# EAGLE board AU_MacroPad - 8 Panel (EAGLE 9.6.2), part 4 of 5
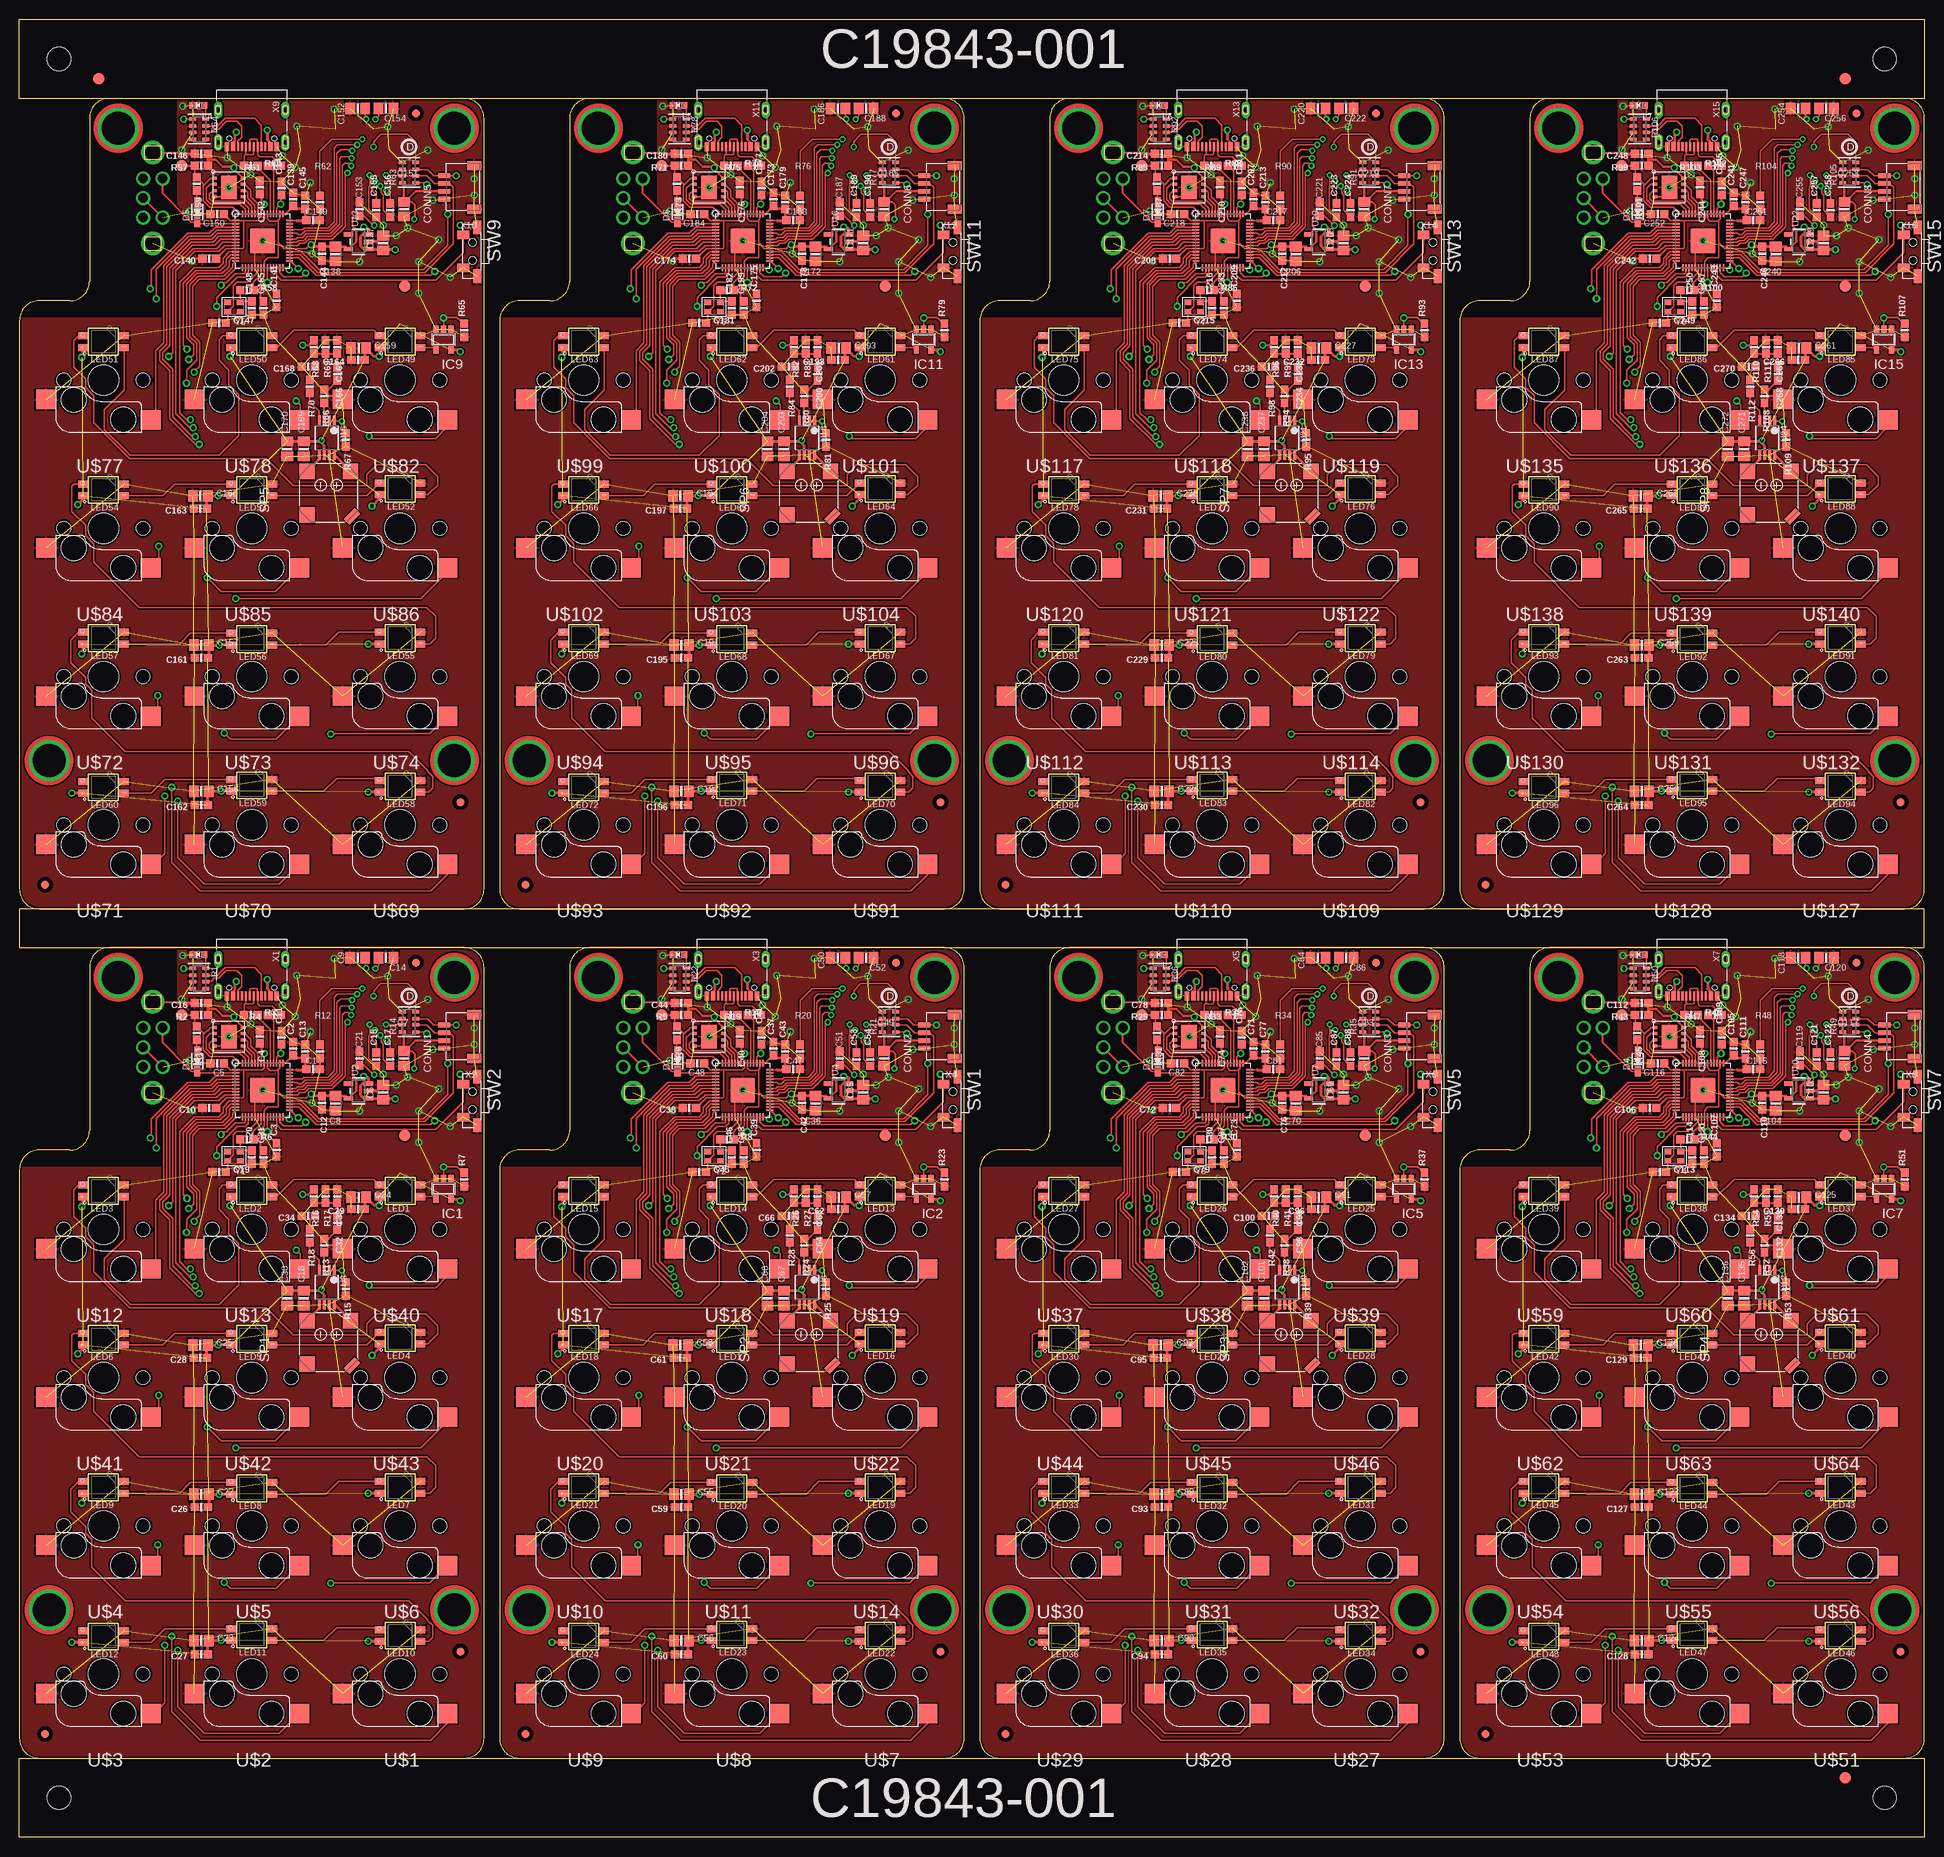
[diagram p0: board, top side]
## Tracks (layer width: path | path; a pad name or v marks a point on that pad's centre or on a via) (continued)
N$37 (continued)
  Top 0.203: LED15.4-DIN 75.13,76.82 72.61,74.3 72.61,71.75 75.91,68.45 87.34,68.45 89.88,70.99 89.88,76.24 88.59,77.53 88.59,79.39 87.34,80.64 87.34,83.31 87.84,83.81 LED14.2-DOUT
N$38
  Top 0.203: LED16.2-DOUT 106.31,63.26 LED17.4-DIN
N$39
  Top 0.203: LED18.4-DIN 80.12,63.26 81.62,64.76 LED17.2-DOUT
N$40
  Top 0.203: LED20.4-DIN 101.07,44.08 102.7,45.71 LED19.2-DOUT
N$41
  Top 0.203: LED21.4-DIN 82.28,44.21 83.66,45.59 88.87,45.59 LED20.2-DOUT
N$42
  Top 0.203: LED23.4-DIN 100.82,25.29 102.46,26.92 107.67,26.92 LED22.2-DOUT
N$43
  Top 0.203: LED24.4-DIN 78.59,25.03 80.35,26.79 LED23.2-DOUT
N$44
  Top 0.203: LED15.2-DOUT 69.3,83.81 68.67,83.19 68.67,79.76 70.18,78.25 70.18,77.15 71.21,76.11 71.21,72.61 75.83,68 93.4,68 96.86,64.53 106.33,64.53 106.33,65.97 107.6,67.24 113.89,67.24 115.41,65.71 115.41,64.64 114.15,63.39 LED16.4-DIN
N$45
  Top 0.203: LED18.2-DOUT 68.66,64.76 68.42,64.52 68.42,61.21 70.18,59.46 70.18,58.1 71.21,57.06 71.21,54.74 77.06,48.89 114.01,48.89 115.16,47.75 115.16,44.96 114.41,44.21 LED19.4-DIN
N$46
  Top 0.203: LED22.4-DIN 114.28,25.16 114.78,25.65 114.78,27.19 114.17,27.8 114.17,27.91 111.73,30.35 75.28,30.35 70.96,34.67 70.96,38.27 70.18,39.05 70.18,39.9 68.29,41.78 68.29,44.7 69.3,45.71 LED21.2-DOUT
N$47  (via drill 0.39)
  Top 0.178: R20.2 100.3,107.53 101.83,109.07 v105.74,109.07
  Bottom 0.178: v105.74,109.07 X4.13
N$48  (via drill 0.39)
  Top 0.178: C54.1 108.45,99.96 108.45,101.9 108.17,102.18 108.17,102.94 v108.06,103.06
  Bottom 0.178: X4.2 100.24,109.23 100.31,109.15 100.31,103.62 101.11,102.83 105.19,102.83 105.42,103.06 v108.06,103.06
N$49  (via drill 0.39)
  Top 0.178: C54.2 109.31,101.88 109.29,101.9 109.29,102 v108.84,102.46
  Bottom 0.178: X4.1 99.74,109.22 99.95,109.01 99.95,103.48 101.04,102.39 108.33,102.39 108.4,102.46 v108.84,102.46
N$50  (via drill 0.39)
  Top 0.178: C53.1 106.59,100.05 106.59,102.94 106.67,103.03 v106.67,104.44
  Bottom 0.178: v106.67,104.44 106.08,103.85 105.2,103.85 104.89,103.54 102.62,103.54 102.31,103.85 101.24,103.85 X4.4
N$51  (via drill 0.39)
  Top 0.178: C53.2 107.52,100.82 107.52,101.9 107.05,102.37 107.05,102.91 107.26,103.12 107.26,103.65 v107.36,103.75
  Bottom 0.178: v107.36,103.75 107.11,103.49 105.35,103.49 105.04,103.18 101.25,103.18 100.74,103.7 X4.3
N$52
  Top 0.254: C64.2 101.36,76.88 R24.1
N$53
  Top 0.254: R26.2 | R26.2 R27.2 C65.2 | C65.2 | C65.2 C64.1
N$54
  Top 0.254: C66.1 99.01,79.18 R28.1
N$55
  Top 0.406: U6.5 100.2,67.97 SP2.-
N$56
  Top 0.406: U6.8 104.23,66.42 SP2.+
N$57
  Top 0.203: L2.A 147.34,113.18 R36.8
N$58
  Top 0.203: C79.2 150.11,85.24 Y3.3 150.88,87.64 150.88,90.23 151.32,90.68 152.72,90.68 154.02,91.98 IC6.20
N$59
  Top 0.203: R30.1 151.74,88.23 C80.2 151.86,88.23 Y3.1
N$60
  Top 0.203: IC6.21 154.42,91.66 153.44,90.68 R30.2
N$61
  Top 0.203: R31.2 146.16,101.04 D2.A
N$62
  Top 0.203: X5.B6 152.48,107.2 | R32.1 152.25,106.97 152.48,107.2 | 152.48,107.2 152.61,107.06 153.35,107.06 153.48,107.18 X5.A6
N$63
  Top 0.203: R33.1 155.85,106.81 154.23,106.81 153.98,107.06 X5.B7 153.93,108.13 153.93,109.02 153.86,109.09 153.1,109.09 152.94,108.94 152.94,108.12 X5.A7
N$64
  Top 0.203: LED26.4-DIN 156.41,82.31 158.61,84.51 168.93,84.51 LED25.2-DOUT
N$65
  Top 0.203: LED27.4-DIN 136.83,76.82 134.3,74.3 134.3,71.75 137.6,68.45 149.03,68.45 151.57,70.99 151.57,76.24 150.28,77.53 150.28,79.39 149.03,80.64 149.03,83.31 149.53,83.81 LED26.2-DOUT
N$66
  Top 0.203: LED28.2-DOUT 168,63.26 LED29.4-DIN
N$67
  Top 0.203: LED30.4-DIN 141.81,63.26 143.31,64.76 LED29.2-DOUT
N$68
  Top 0.203: LED32.4-DIN 162.76,44.08 164.39,45.71 LED31.2-DOUT
N$69
  Top 0.203: LED33.4-DIN 143.97,44.21 145.35,45.59 150.56,45.59 LED32.2-DOUT
N$70
  Top 0.203: LED35.4-DIN 162.51,25.29 164.15,26.92 169.36,26.92 LED34.2-DOUT
N$71
  Top 0.203: LED36.4-DIN 140.28,25.03 142.04,26.79 LED35.2-DOUT
N$72
  Top 0.203: LED27.2-DOUT 130.99,83.81 130.37,83.19 130.37,79.76 131.87,78.25 131.87,77.15 132.91,76.11 132.91,72.61 137.52,68 155.09,68 158.56,64.53 168.03,64.53 168.03,65.97 169.29,67.24 175.58,67.24 177.1,65.71 177.1,64.64 175.84,63.39 LED28.4-DIN
N$73
  Top 0.203: LED30.2-DOUT 130.35,64.76 130.11,64.52 130.11,61.21 131.87,59.46 131.87,58.1 132.91,57.06 132.91,54.74 138.75,48.89 175.7,48.89 176.85,47.75 176.85,44.96 176.1,44.21 LED31.4-DIN
N$74
  Top 0.203: LED34.4-DIN 175.97,25.16 176.47,25.65 176.47,27.19 175.86,27.8 175.86,27.91 173.42,30.35 136.97,30.35 132.65,34.67 132.65,38.27 131.87,39.05 131.87,39.9 129.98,41.78 129.98,44.7 130.99,45.71 LED33.2-DOUT
N$75  (via drill 0.39)
  Top 0.178: R34.2 161.99,107.53 163.52,109.07 v167.43,109.07
  Bottom 0.178: v167.43,109.07 X6.13
N$76  (via drill 0.39)
  Top 0.178: C88.1 170.14,99.96 170.14,101.9 169.86,102.18 169.86,102.94 v169.75,103.06
  Bottom 0.178: X6.2 161.93,109.23 162,109.15 162,103.62 162.8,102.83 166.88,102.83 167.11,103.06 v169.75,103.06
N$77  (via drill 0.39)
  Top 0.178: C88.2 171.01,101.88 170.99,101.9 170.99,102 v170.53,102.46
  Bottom 0.178: X6.1 161.43,109.22 161.65,109.01 161.65,103.48 162.73,102.39 170.02,102.39 170.09,102.46 v170.53,102.46
N$78  (via drill 0.39)
  Top 0.178: C87.1 168.28,100.05 168.28,102.94 168.37,103.03 v168.37,104.44
  Bottom 0.178: v168.37,104.44 167.77,103.85 166.89,103.85 166.58,103.54 164.31,103.54 164,103.85 162.93,103.85 X6.4
N$79  (via drill 0.39)
  Top 0.178: C87.2 169.21,100.82 169.21,101.9 168.75,102.37 168.75,102.91 168.95,103.12 168.95,103.65 v169.06,103.75
  Bottom 0.178: v169.06,103.75 168.8,103.49 167.04,103.49 166.73,103.18 162.95,103.18 162.43,103.7 X6.3
N$80
  Top 0.254: C98.2 163.05,76.88 R38.1
N$81
  Top 0.254: R40.2 | R40.2 R41.2 C99.2 | C99.2 | C99.2 C98.1
N$82
  Top 0.254: C100.1 160.7,79.18 R42.1
N$83
  Top 0.406: U9.5 161.89,67.97 SP3.-
N$84
  Top 0.406: U9.8 165.92,66.42 SP3.+
N$85
  Top 0.203: L3.A 209.03,113.18 R50.8
N$86
  Top 0.203: C113.2 211.8,85.24 Y4.3 212.56,87.64 212.56,90.23 213.01,90.68 214.41,90.68 215.71,91.98 IC8.20
N$87
  Top 0.203: R44.1 213.43,88.23 C114.2 213.55,88.23 Y4.1
N$88
  Top 0.203: IC8.21 216.11,91.66 215.13,90.68 R44.2
N$89
  Top 0.203: R45.2 207.85,101.04 D4.A
N$90
  Top 0.203: X7.B6 214.16,107.2 | R46.1 213.94,106.97 214.16,107.2 | 214.16,107.2 214.3,107.06 215.04,107.06 215.16,107.18 X7.A6
N$91
  Top 0.203: R47.1 217.54,106.81 215.92,106.81 215.66,107.06 X7.B7 215.62,108.13 215.62,109.02 215.55,109.09 214.79,109.09 214.63,108.94 214.63,108.12 X7.A7
N$92
  Top 0.203: LED38.4-DIN 218.1,82.31 220.3,84.51 230.62,84.51 LED37.2-DOUT
N$93
  Top 0.203: LED39.4-DIN 198.51,76.82 195.99,74.3 195.99,71.75 199.29,68.45 210.72,68.45 213.26,70.99 213.26,76.24 211.97,77.53 211.97,79.39 210.72,80.64 210.72,83.31 211.22,83.81 LED38.2-DOUT
N$94
  Top 0.203: LED40.2-DOUT 229.69,63.26 LED41.4-DIN
N$95
  Top 0.203: LED42.4-DIN 203.5,63.26 205,64.76 LED41.2-DOUT
N$96
  Top 0.203: LED44.4-DIN 224.45,44.08 226.08,45.71 LED43.2-DOUT
N$97
  Top 0.203: LED45.4-DIN 205.66,44.21 207.04,45.59 212.25,45.59 LED44.2-DOUT
N$98
  Top 0.203: LED47.4-DIN 224.2,25.29 225.84,26.92 231.05,26.92 LED46.2-DOUT
N$99
  Top 0.203: LED48.4-DIN 201.97,25.03 203.73,26.79 LED47.2-DOUT
N$100
  Top 0.203: LED39.2-DOUT 192.68,83.81 192.05,83.19 192.05,79.76 193.56,78.25 193.56,77.15 194.59,76.11 194.59,72.61 199.21,68 216.78,68 220.25,64.53 229.72,64.53 229.72,65.97 230.98,67.24 237.27,67.24 238.79,65.71 238.79,64.64 237.53,63.39 LED40.4-DIN
N$101
  Top 0.203: LED42.2-DOUT 192.04,64.76 191.8,64.52 191.8,61.21 193.56,59.46 193.56,58.1 194.59,57.06 194.59,54.74 200.44,48.89 237.39,48.89 238.54,47.75 238.54,44.96 237.79,44.21 LED43.4-DIN
N$102
  Top 0.203: LED46.4-DIN 237.66,25.16 238.16,25.65 238.16,27.19 237.55,27.8 237.55,27.91 235.11,30.35 198.66,30.35 194.34,34.67 194.34,38.27 193.56,39.05 193.56,39.9 191.67,41.78 191.67,44.7 192.68,45.71 LED45.2-DOUT
N$103  (via drill 0.39)
  Top 0.178: R48.2 223.68,107.53 225.21,109.07 v229.12,109.07
  Bottom 0.178: v229.12,109.07 X8.13
N$104  (via drill 0.39)
  Top 0.178: C122.1 231.83,99.96 231.83,101.9 231.55,102.18 231.55,102.94 v231.44,103.06
  Bottom 0.178: X8.2 223.62,109.23 223.69,109.15 223.69,103.62 224.49,102.83 228.57,102.83 228.8,103.06 v231.44,103.06
N$105  (via drill 0.39)
  Top 0.178: C122.2 232.69,101.88 232.68,101.9 232.68,102 v232.22,102.46
  Bottom 0.178: X8.1 223.12,109.22 223.34,109.01 223.34,103.48 224.42,102.39 231.71,102.39 231.78,102.46 v232.22,102.46
N$106  (via drill 0.39)
  Top 0.178: C121.1 229.97,100.05 229.97,102.94 230.05,103.03 v230.05,104.44
  Bottom 0.178: v230.05,104.44 229.46,103.85 228.58,103.85 228.27,103.54 226,103.54 225.69,103.85 224.62,103.85 X8.4
N$107  (via drill 0.39)
  Top 0.178: C121.2 230.9,100.82 230.9,101.9 230.44,102.37 230.44,102.91 230.64,103.12 230.64,103.65 v230.75,103.75
  Bottom 0.178: v230.75,103.75 230.49,103.49 228.73,103.49 228.42,103.18 224.63,103.18 224.12,103.7 X8.3
N$108
  Top 0.254: C132.2 224.74,76.88 R52.1
N$109
  Top 0.254: R54.2 | R54.2 R55.2 C133.2 | C133.2 | C133.2 C132.1
N$110
  Top 0.254: C134.1 222.39,79.18 R56.1
N$111
  Top 0.406: U12.5 223.58,67.97 SP4.-
N$112
  Top 0.406: U12.8 227.61,66.42 SP4.+
N$113
  Top 0.203: L4.A 23.96,222.32 R64.8
N$114
  Top 0.203: C147.2 26.73,194.38 Y5.3 27.5,196.78 27.5,199.37 27.94,199.82 29.34,199.82 30.64,201.12 IC10.20
N$115
  Top 0.203: R58.1 28.36,197.37 C148.2 28.48,197.37 Y5.1
N$116
  Top 0.203: IC10.21 31.04,200.8 30.06,199.82 R58.2
N$117
  Top 0.203: R59.2 22.78,210.18 D5.A
N$118
  Top 0.203: X9.B6 29.09,216.34 | R60.1 28.87,216.11 29.09,216.34 | 29.09,216.34 29.23,216.2 29.97,216.2 30.09,216.32 X9.A6
N$119
  Top 0.203: R61.1 32.47,215.95 30.85,215.95 30.59,216.2 X9.B7 30.55,217.27 30.55,218.16 30.48,218.23 29.72,218.23 29.56,218.08 29.56,217.27 X9.A7
N$120
  Top 0.203: LED50.4-DIN 33.03,191.45 35.23,193.65 45.55,193.65 LED49.2-DOUT
N$121
  Top 0.203: LED51.4-DIN 13.45,185.96 10.92,183.44 10.92,180.9 14.22,177.59 25.65,177.59 28.19,180.13 28.19,185.38 26.9,186.67 26.9,188.54 25.65,189.79 25.65,192.45 26.15,192.95 LED50.2-DOUT
N$122
  Top 0.203: LED52.2-DOUT 44.62,172.4 LED53.4-DIN
N$123
  Top 0.203: LED54.4-DIN 18.43,172.4 19.93,173.9 LED53.2-DOUT
N$124
  Top 0.203: LED56.4-DIN 39.38,153.22 41.01,154.85 LED55.2-DOUT
N$125
  Top 0.203: LED57.4-DIN 20.59,153.35 21.97,154.73 27.18,154.73 LED56.2-DOUT
N$126
  Top 0.203: LED59.4-DIN 39.13,134.43 40.77,136.06 45.98,136.06 LED58.2-DOUT
N$127
  Top 0.203: LED60.4-DIN 16.9,134.17 18.66,135.93 LED59.2-DOUT
N$128
  Top 0.203: LED51.2-DOUT 7.61,192.95 6.99,192.33 6.99,188.9 8.49,187.39 8.49,186.29 9.53,185.26 9.53,181.75 14.14,177.14 31.71,177.14 35.18,173.67 44.65,173.67 44.65,175.11 45.91,176.38 52.2,176.38 53.72,174.85 53.72,173.78 52.46,172.53 LED52.4-DIN
N$129
  Top 0.203: LED54.2-DOUT 6.97,173.9 6.73,173.66 6.73,170.35 8.49,168.6 8.49,167.24 9.53,166.21 9.53,163.88 15.37,158.04 52.32,158.04 53.47,156.89 53.47,154.1 52.72,153.35 LED55.4-DIN
N$130
  Top 0.203: LED58.4-DIN 52.59,134.3 53.09,134.8 53.09,136.33 52.48,136.94 52.48,137.06 50.04,139.49 13.59,139.49 9.27,143.81 9.27,147.41 8.49,148.19 8.49,149.04 6.6,150.92 6.6,153.84 7.61,154.85 LED57.2-DOUT
N$131  (via drill 0.39)
  Top 0.178: R62.2 38.61,216.68 40.14,218.21 v44.05,218.21
  Bottom 0.178: v44.05,218.21 X10.13
N$132  (via drill 0.39)
  Top 0.178: C156.1 46.76,209.1 46.76,211.04 46.48,211.32 46.48,212.08 v46.37,212.2
  Bottom 0.178: X10.2 38.55,218.37 38.62,218.29 38.62,212.77 39.42,211.97 43.5,211.97 43.73,212.2 v46.37,212.2
N$133  (via drill 0.39)
  Top 0.178: C156.2 47.62,211.03 47.6,211.04 47.6,211.14 v47.15,211.6
  Bottom 0.178: X10.1 38.05,218.37 38.27,218.15 38.27,212.62 39.35,211.53 46.64,211.53 46.71,211.6 v47.15,211.6
N$134  (via drill 0.39)
  Top 0.178: C155.1 44.9,209.19 44.9,212.09 44.98,212.17 v44.98,213.58
  Bottom 0.178: v44.98,213.58 44.39,212.99 43.51,212.99 43.2,212.68 40.93,212.68 40.62,212.99 39.55,212.99 X10.4
N$135  (via drill 0.39)
  Top 0.178: C155.2 45.83,209.96 45.83,211.04 45.37,211.51 45.37,212.05 45.57,212.26 45.57,212.79 v45.68,212.89
  Bottom 0.178: v45.68,212.89 45.42,212.63 43.66,212.63 43.35,212.32 39.56,212.32 39.05,212.84 X10.3
N$136
  Top 0.254: C166.2 39.67,186.02 R66.1
N$137
  Top 0.254: R68.2 | R68.2 R69.2 C167.2 | C167.2 | C167.2 C166.1
N$138
  Top 0.254: C168.1 37.32,188.32 R70.1
N$139
  Top 0.406: U15.5 38.51,177.11 SP5.-
N$140
  Top 0.406: U15.8 42.54,175.56 SP5.+
N$141
  Top 0.203: L5.A 85.65,222.32 R78.8
N$142
  Top 0.203: C181.2 88.42,194.38 Y6.3 89.19,196.78 89.19,199.37 89.63,199.82 91.03,199.82 92.33,201.12 IC12.20
N$143
  Top 0.203: R72.1 90.05,197.37 C182.2 90.17,197.37 Y6.1
N$144
  Top 0.203: IC12.21 92.73,200.8 91.75,199.82 R72.2
N$145
  Top 0.203: R73.2 84.47,210.18 D6.A
N$146
  Top 0.203: X11.B6 90.78,216.34 | R74.1 90.56,216.11 90.78,216.34 | 90.78,216.34 90.92,216.2 91.66,216.2 91.78,216.32 X11.A6
N$147
  Top 0.203: R75.1 94.16,215.95 92.54,215.95 92.28,216.2 X11.B7 92.24,217.27 92.24,218.16 92.17,218.23 91.41,218.23 91.25,218.08 91.25,217.27 X11.A7
N$148
  Top 0.203: LED62.4-DIN 94.72,191.45 96.92,193.65 107.23,193.65 LED61.2-DOUT
N$149
  Top 0.203: LED63.4-DIN 75.13,185.96 72.61,183.44 72.61,180.9 75.91,177.59 87.34,177.59 89.88,180.13 89.88,185.38 88.59,186.67 88.59,188.54 87.34,189.79 87.34,192.45 87.84,192.95 LED62.2-DOUT
N$150
  Top 0.203: LED64.2-DOUT 106.31,172.4 LED65.4-DIN
N$151
  Top 0.203: LED66.4-DIN 80.12,172.4 81.62,173.9 LED65.2-DOUT
N$152
  Top 0.203: LED68.4-DIN 101.07,153.22 102.7,154.85 LED67.2-DOUT
N$153
  Top 0.203: LED69.4-DIN 82.28,153.35 83.66,154.73 88.87,154.73 LED68.2-DOUT
N$154
  Top 0.203: LED71.4-DIN 100.82,134.43 102.46,136.06 107.67,136.06 LED70.2-DOUT
N$155
  Top 0.203: LED72.4-DIN 78.59,134.17 80.35,135.93 LED71.2-DOUT
N$156
  Top 0.203: LED63.2-DOUT 69.3,192.95 68.67,192.33 68.67,188.9 70.18,187.39 70.18,186.29 71.21,185.26 71.21,181.75 75.83,177.14 93.4,177.14 96.86,173.67 106.33,173.67 106.33,175.11 107.6,176.38 113.89,176.38 115.41,174.85 115.41,173.78 114.15,172.53 LED64.4-DIN
N$157
  Top 0.203: LED66.2-DOUT 68.66,173.9 68.42,173.66 68.42,170.35 70.18,168.6 70.18,167.24 71.21,166.21 71.21,163.88 77.06,158.04 114.01,158.04 115.16,156.89 115.16,154.1 114.41,153.35 LED67.4-DIN
N$158
  Top 0.203: LED70.4-DIN 114.28,134.3 114.78,134.8 114.78,136.33 114.17,136.94 114.17,137.06 111.73,139.49 75.28,139.49 70.96,143.81 70.96,147.41 70.18,148.19 70.18,149.04 68.29,150.92 68.29,153.84 69.3,154.85 LED69.2-DOUT
N$159  (via drill 0.39)
  Top 0.178: R76.2 100.3,216.68 101.83,218.21 v105.74,218.21
  Bottom 0.178: v105.74,218.21 X12.13
N$160  (via drill 0.39)
  Top 0.178: C190.1 108.45,209.1 108.45,211.04 108.17,211.32 108.17,212.08 v108.06,212.2
  Bottom 0.178: X12.2 100.24,218.37 100.31,218.29 100.31,212.77 101.11,211.97 105.19,211.97 105.42,212.2 v108.06,212.2
N$161  (via drill 0.39)
  Top 0.178: C190.2 109.31,211.03 109.29,211.04 109.29,211.14 v108.84,211.6
  Bottom 0.178: X12.1 99.74,218.37 99.95,218.15 99.95,212.62 101.04,211.53 108.33,211.53 108.4,211.6 v108.84,211.6
N$162  (via drill 0.39)
  Top 0.178: C189.1 106.59,209.19 106.59,212.09 106.67,212.17 v106.67,213.58
  Bottom 0.178: v106.67,213.58 106.08,212.99 105.2,212.99 104.89,212.68 102.62,212.68 102.31,212.99 101.24,212.99 X12.4
N$163  (via drill 0.39)
  Top 0.178: C189.2 107.52,209.96 107.52,211.04 107.05,211.51 107.05,212.05 107.26,212.26 107.26,212.79 v107.36,212.89
  Bottom 0.178: v107.36,212.89 107.11,212.63 105.35,212.63 105.04,212.32 101.25,212.32 100.74,212.84 X12.3
N$164
  Top 0.254: C200.2 101.36,186.02 R80.1
N$165
  Top 0.254: R82.2 | R82.2 R83.2 C201.2 | C201.2 | C201.2 C200.1
N$166
  Top 0.254: C202.1 99.01,188.32 R84.1
N$167
  Top 0.406: U18.5 100.2,177.11 SP6.-
N$168
  Top 0.406: U18.8 104.23,175.56 SP6.+
N$169
  Top 0.203: L6.A 147.34,222.32 R92.8
N$170
  Top 0.203: C215.2 150.11,194.38 Y7.3 150.88,196.78 150.88,199.37 151.32,199.82 152.72,199.82 154.02,201.12 IC14.20
N$171
  Top 0.203: R86.1 151.74,197.37 C216.2 151.86,197.37 Y7.1
N$172
  Top 0.203: IC14.21 154.42,200.8 153.44,199.82 R86.2
N$173
  Top 0.203: R87.2 146.16,210.18 D7.A
N$174
  Top 0.203: X13.B6 152.48,216.34 | R88.1 152.25,216.11 152.48,216.34 | 152.48,216.34 152.61,216.2 153.35,216.2 153.48,216.32 X13.A6
N$175
  Top 0.203: R89.1 155.85,215.95 154.23,215.95 153.98,216.2 X13.B7 153.93,217.27 153.93,218.16 153.86,218.23 153.1,218.23 152.94,218.08 152.94,217.27 X13.A7
N$176
  Top 0.203: LED74.4-DIN 156.41,191.45 158.61,193.65 168.93,193.65 LED73.2-DOUT
N$177
  Top 0.203: LED75.4-DIN 136.83,185.96 134.3,183.44 134.3,180.9 137.6,177.59 149.03,177.59 151.57,180.13 151.57,185.38 150.28,186.67 150.28,188.54 149.03,189.79 149.03,192.45 149.53,192.95 LED74.2-DOUT
N$178
  Top 0.203: LED76.2-DOUT 168,172.4 LED77.4-DIN
N$179
  Top 0.203: LED78.4-DIN 141.81,172.4 143.31,173.9 LED77.2-DOUT
N$180
  Top 0.203: LED80.4-DIN 162.76,153.22 164.39,154.85 LED79.2-DOUT
N$181
  Top 0.203: LED81.4-DIN 143.97,153.35 145.35,154.73 150.56,154.73 LED80.2-DOUT
N$182
  Top 0.203: LED83.4-DIN 162.51,134.43 164.15,136.06 169.36,136.06 LED82.2-DOUT
N$183
  Top 0.203: LED84.4-DIN 140.28,134.17 142.04,135.93 LED83.2-DOUT
N$184
  Top 0.203: LED75.2-DOUT 130.99,192.95 130.37,192.33 130.37,188.9 131.87,187.39 131.87,186.29 132.91,185.26 132.91,181.75 137.52,177.14 155.09,177.14 158.56,173.67 168.03,173.67 168.03,175.11 169.29,176.38 175.58,176.38 177.1,174.85 177.1,173.78 175.84,172.53 LED76.4-DIN
N$185
  Top 0.203: LED78.2-DOUT 130.35,173.9 130.11,173.66 130.11,170.35 131.87,168.6 131.87,167.24 132.91,166.21 132.91,163.88 138.75,158.04 175.7,158.04 176.85,156.89 176.85,154.1 176.1,153.35 LED79.4-DIN
N$186
  Top 0.203: LED82.4-DIN 175.97,134.3 176.47,134.8 176.47,136.33 175.86,136.94 175.86,137.06 173.42,139.49 136.97,139.49 132.65,143.81 132.65,147.41 131.87,148.19 131.87,149.04 129.98,150.92 129.98,153.84 130.99,154.85 LED81.2-DOUT
N$187  (via drill 0.39)
  Top 0.178: R90.2 161.99,216.68 163.52,218.21 v167.43,218.21
  Bottom 0.178: v167.43,218.21 X14.13
N$188  (via drill 0.39)
  Top 0.178: C224.1 170.14,209.1 170.14,211.04 169.86,211.32 169.86,212.08 v169.75,212.2
  Bottom 0.178: X14.2 161.93,218.37 162,218.29 162,212.77 162.8,211.97 166.88,211.97 167.11,212.2 v169.75,212.2
N$189  (via drill 0.39)
  Top 0.178: C224.2 171.01,211.03 170.99,211.04 170.99,211.14 v170.53,211.6
  Bottom 0.178: X14.1 161.43,218.37 161.65,218.15 161.65,212.62 162.73,211.53 170.02,211.53 170.09,211.6 v170.53,211.6
N$190  (via drill 0.39)
  Top 0.178: C223.1 168.28,209.19 168.28,212.09 168.37,212.17 v168.37,213.58
  Bottom 0.178: v168.37,213.58 167.77,212.99 166.89,212.99 166.58,212.68 164.31,212.68 164,212.99 162.93,212.99 X14.4
N$191  (via drill 0.39)
  Top 0.178: C223.2 169.21,209.96 169.21,211.04 168.75,211.51 168.75,212.05 168.95,212.26 168.95,212.79 v169.06,212.89
  Bottom 0.178: v169.06,212.89 168.8,212.63 167.04,212.63 166.73,212.32 162.95,212.32 162.43,212.84 X14.3
N$192
  Top 0.254: C234.2 163.05,186.02 R94.1
N$193
  Top 0.254: R96.2 | R96.2 R97.2 C235.2 | C235.2 | C235.2 C234.1
N$194
  Top 0.254: C236.1 160.7,188.32 R98.1
N$195
  Top 0.406: U21.5 161.89,177.11 SP7.-
N$196
  Top 0.406: U21.8 165.92,175.56 SP7.+
N$197
  Top 0.203: L7.A 209.03,222.32 R106.8
N$198
  Top 0.203: C249.2 211.8,194.38 Y8.3 212.56,196.78 212.56,199.37 213.01,199.82 214.41,199.82 215.71,201.12 IC16.20
N$199
  Top 0.203: R100.1 213.43,197.37 C250.2 213.55,197.37 Y8.1
N$200
  Top 0.203: IC16.21 216.11,200.8 215.13,199.82 R100.2
N$201
  Top 0.203: R101.2 207.85,210.18 D8.A
N$202
  Top 0.203: X15.B6 214.16,216.34 | R102.1 213.94,216.11 214.16,216.34 | 214.16,216.34 214.3,216.2 215.04,216.2 215.16,216.32 X15.A6
N$203
  Top 0.203: R103.1 217.54,215.95 215.92,215.95 215.66,216.2 X15.B7 215.62,217.27 215.62,218.16 215.55,218.23 214.79,218.23 214.63,218.08 214.63,217.27 X15.A7
N$204
  Top 0.203: LED86.4-DIN 218.1,191.45 220.3,193.65 230.62,193.65 LED85.2-DOUT
N$205
  Top 0.203: LED87.4-DIN 198.51,185.96 195.99,183.44 195.99,180.9 199.29,177.59 210.72,177.59 213.26,180.13 213.26,185.38 211.97,186.67 211.97,188.54 210.72,189.79 210.72,192.45 211.22,192.95 LED86.2-DOUT
N$206
  Top 0.203: LED88.2-DOUT 229.69,172.4 LED89.4-DIN
N$207
  Top 0.203: LED90.4-DIN 203.5,172.4 205,173.9 LED89.2-DOUT
N$208
  Top 0.203: LED92.4-DIN 224.45,153.22 226.08,154.85 LED91.2-DOUT
N$209
  Top 0.203: LED93.4-DIN 205.66,153.35 207.04,154.73 212.25,154.73 LED92.2-DOUT
N$210
  Top 0.203: LED95.4-DIN 224.2,134.43 225.84,136.06 231.05,136.06 LED94.2-DOUT
N$211
  Top 0.203: LED96.4-DIN 201.97,134.17 203.73,135.93 LED95.2-DOUT
N$212
  Top 0.203: LED87.2-DOUT 192.68,192.95 192.05,192.33 192.05,188.9 193.56,187.39 193.56,186.29 194.59,185.26 194.59,181.75 199.21,177.14 216.78,177.14 220.25,173.67 229.72,173.67 229.72,175.11 230.98,176.38 237.27,176.38 238.79,174.85 238.79,173.78 237.53,172.53 LED88.4-DIN
N$213
  Top 0.203: LED90.2-DOUT 192.04,173.9 191.8,173.66 191.8,170.35 193.56,168.6 193.56,167.24 194.59,166.21 194.59,163.88 200.44,158.04 237.39,158.04 238.54,156.89 238.54,154.1 237.79,153.35 LED91.4-DIN
N$214
  Top 0.203: LED94.4-DIN 237.66,134.3 238.16,134.8 238.16,136.33 237.55,136.94 237.55,137.06 235.11,139.49 198.66,139.49 194.34,143.81 194.34,147.41 193.56,148.19 193.56,149.04 191.67,150.92 191.67,153.84 192.68,154.85 LED93.2-DOUT
N$215  (via drill 0.39)
  Top 0.178: R104.2 223.68,216.68 225.21,218.21 v229.12,218.21
  Bottom 0.178: v229.12,218.21 X16.13
N$216  (via drill 0.39)
  Top 0.178: C258.1 231.83,209.1 231.83,211.04 231.55,211.32 231.55,212.08 v231.44,212.2
  Bottom 0.178: X16.2 223.62,218.37 223.69,218.29 223.69,212.77 224.49,211.97 228.57,211.97 228.8,212.2 v231.44,212.2
N$217  (via drill 0.39)
  Top 0.178: C258.2 232.69,211.03 232.68,211.04 232.68,211.14 v232.22,211.6
  Bottom 0.178: X16.1 223.12,218.37 223.34,218.15 223.34,212.62 224.42,211.53 231.71,211.53 231.78,211.6 v232.22,211.6
N$218  (via drill 0.39)
  Top 0.178: C257.1 229.97,209.19 229.97,212.09 230.05,212.17 v230.05,213.58
  Bottom 0.178: v230.05,213.58 229.46,212.99 228.58,212.99 228.27,212.68 226,212.68 225.69,212.99 224.62,212.99 X16.4
N$219  (via drill 0.39)
  Top 0.178: C257.2 230.9,209.96 230.9,211.04 230.44,211.51 230.44,212.05 230.64,212.26 230.64,212.79 v230.75,212.89
  Bottom 0.178: v230.75,212.89 230.49,212.63 228.73,212.63 228.42,212.32 224.63,212.32 224.12,212.84 X16.3
N$220
  Top 0.254: C268.2 224.74,186.02 R108.1
N$221
  Top 0.254: R110.2 | R110.2 R111.2 C269.2 | C269.2 | C269.2 C268.1
N$222
  Top 0.254: C270.1 222.39,188.32 R112.1
N$223
  Top 0.406: U24.5 223.58,177.11 SP8.-
N$224
  Top 0.406: U24.8 227.61,175.56 SP8.+
NEOPIX  (via drill 0.5)
  Top 0.203: v54.48,86.11 IC1.2 | v53.34,92.08 52.83,91.57 38.14,91.57 35.9,93.81 IC3.30
  Top 0.254: R7.2 57,85.37 56.26,86.11 v54.48,86.11
  Bottom 0.203: v53.34,92.08 53.34,87.25 v54.48,86.11
NEOPIX1  (via drill 0.5)
  Top 0.203: v116.17,86.11 IC2.2 | v115.03,92.08 114.52,91.57 99.83,91.57 97.58,93.81 IC4.30
  Top 0.254: R23.2 118.69,85.37 117.95,86.11 v116.17,86.11
  Bottom 0.203: v115.03,92.08 115.03,87.25 v116.17,86.11
NEOPIX2  (via drill 0.5)
  Top 0.203: v177.86,86.11 IC5.2 | v176.72,92.08 176.21,91.57 161.52,91.57 159.28,93.81 IC6.30
  Top 0.254: R37.2 180.38,85.37 179.64,86.11 v177.86,86.11
  Bottom 0.203: v176.72,92.08 176.72,87.25 v177.86,86.11
NEOPIX3  (via drill 0.5)
  Top 0.203: v239.55,86.11 IC7.2 | v238.41,92.08 237.9,91.57 223.21,91.57 220.97,93.81 IC8.30
  Top 0.254: R51.2 242.07,85.37 241.33,86.11 v239.55,86.11
  Bottom 0.203: v238.41,92.08 238.41,87.25 v239.55,86.11
NEOPIX4  (via drill 0.5)
  Top 0.203: v54.48,195.25 IC9.2 | v53.34,201.22 52.83,200.71 38.14,200.71 35.9,202.95 IC10.30
  Top 0.254: R65.2 57,194.51 56.26,195.25 v54.48,195.25
  Bottom 0.203: v53.34,201.22 53.34,196.39 v54.48,195.25
NEOPIX5  (via drill 0.5)
  Top 0.203: v116.17,195.25 IC11.2 | v115.03,201.22 114.52,200.71 99.83,200.71 97.58,202.95 IC12.30
  Top 0.254: R79.2 118.69,194.51 117.95,195.25 v116.17,195.25
  Bottom 0.203: v115.03,201.22 115.03,196.39 v116.17,195.25
NEOPIX6  (via drill 0.5)
  Top 0.203: v177.86,195.25 IC13.2 | v176.72,201.22 176.21,200.71 161.52,200.71 159.28,202.95 IC14.30
  Top 0.254: R93.2 180.38,194.51 179.64,195.25 v177.86,195.25
  Bottom 0.203: v176.72,201.22 176.72,196.39 v177.86,195.25
NEOPIX7  (via drill 0.5)
  Top 0.203: v239.55,195.25 IC15.2 | v238.41,201.22 237.9,200.71 223.21,200.71 220.97,202.95 IC16.30
  Top 0.254: R107.2 242.07,194.51 241.33,195.25 v239.55,195.25
  Bottom 0.203: v238.41,201.22 238.41,196.39 v239.55,195.25
NEOPIX_5V
  Top 0.203: LED1.4-DIN 53.24,82.31 IC1.4
NEOPIX_5V1
  Top 0.203: LED13.4-DIN 114.93,82.31 IC2.4
NEOPIX_5V2
  Top 0.203: LED25.4-DIN 176.62,82.31 IC5.4
NEOPIX_5V3
  Top 0.203: LED37.4-DIN 238.31,82.31 IC7.4
NEOPIX_5V4
  Top 0.203: LED49.4-DIN 53.24,191.45 IC9.4
NEOPIX_5V5
  Top 0.203: LED61.4-DIN 114.93,191.45 IC11.4
NEOPIX_5V6
  Top 0.203: LED73.4-DIN 176.62,191.45 IC13.4
NEOPIX_5V7
  Top 0.203: LED85.4-DIN 238.31,191.45 IC15.4